# Allegro board 1281021_HW-FMC-XM500_Rev1_0.brd (continued)
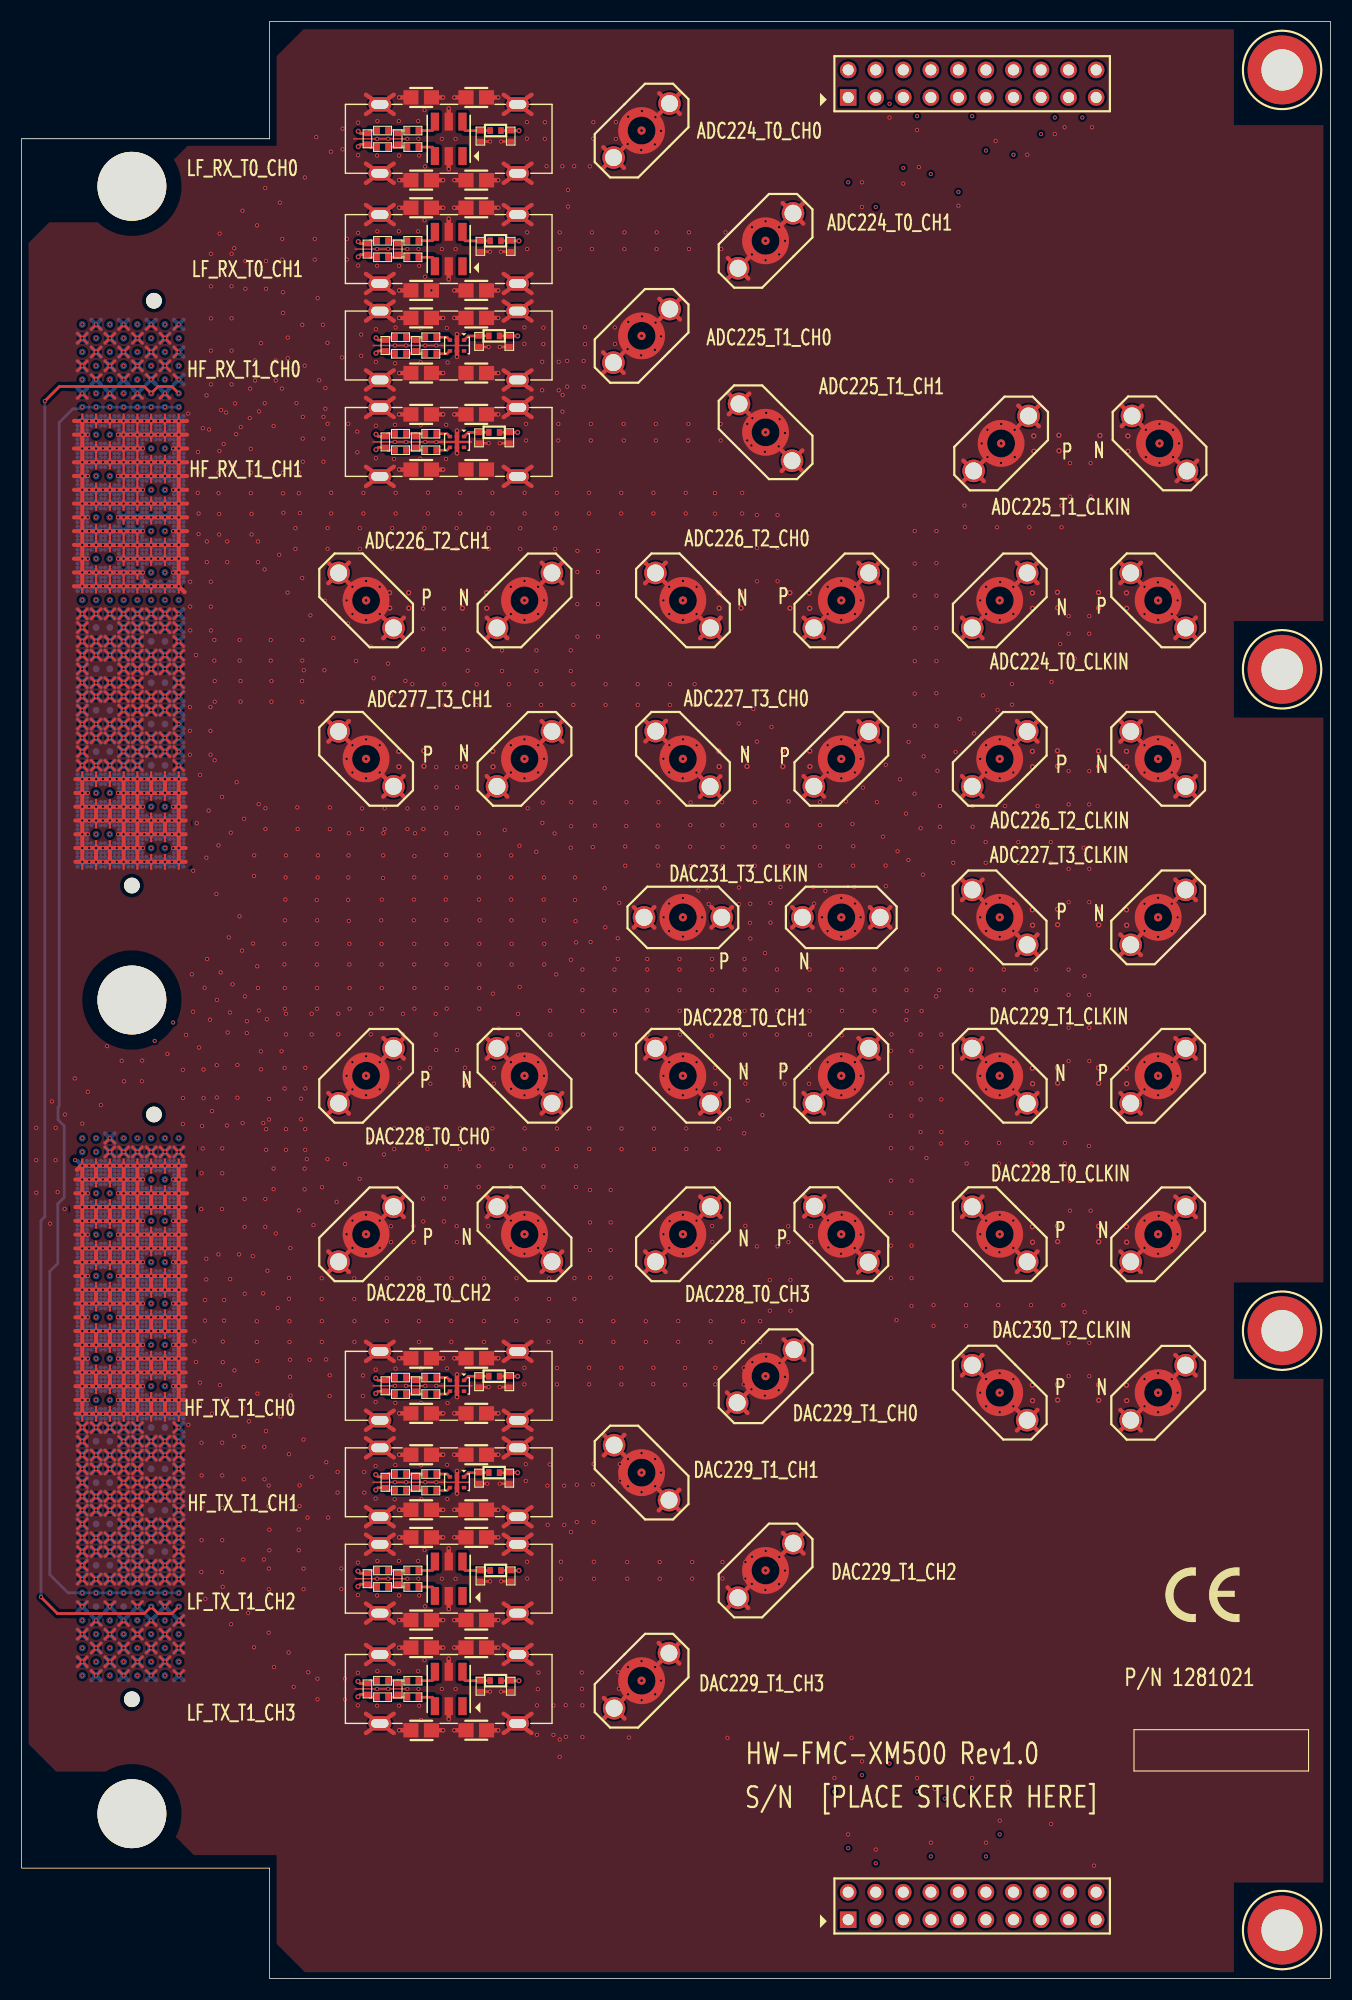
[diagram p0: board, top side]
## Routing (per net, layer and track width the routed paths; a pad name or vN(x,y) marks a point on that pad's centre or on a via; arc(x,y) is an arc through that point) (continued)
  L04_GND w0.381: v2(10.67,31.72) 11.01,32.06 ; v2(10.67,31.72) 10.33,31.37 ; v2(10.67,31.72) 10.33,32.06 ; v2(10.67,31.72) 11.01,31.37 ; 5.25,113.41 v2(5.59,113.06) ; v2(5.59,113.06) 5.93,113.41 ; v2(5.59,113.06) 5.93,112.72 ; v2(5.59,113.06) 5.25,112.72 ; v2(10.67,114.33) 11.01,114.68 ; v2(10.67,114.33) 10.33,114.68 ; v2(10.67,114.33) 11.01,113.99 ; v2(10.67,114.33) 10.33,113.99 ; 14.14,111.45 v2(14.48,111.79) ; v2(14.48,111.79) 14.82,112.14 ; v2(14.48,111.79) 14.14,112.14 ; v2(14.48,111.79) 14.82,111.45 ; 106.36,86.67 J896.3 ; J896.3 108.26,84.77 ; J896.3 106.36,84.77 ; J896.3 108.26,86.67 ; 44.44,41.65 RFCAGE3.2 ; RFCAGE3.2 44.44,43.44 ; RFCAGE3.2 47,41.65 ; RFCAGE3.2 47,43.44 ; 5.25,38.99 v2(5.59,39.34) ; v2(5.59,39.34) 5.25,39.68 ; v2(5.59,39.34) 5.93,38.99 ; v2(5.59,39.34) 5.93,39.68 ; 10.33,118.49 v2(10.67,118.14) ; v2(10.67,118.14) 10.33,117.8 ; v2(10.67,118.14) 11.01,117.8 ; v2(10.67,118.14) 11.01,118.49 ; 70.16,163.63 J3.2 ; J3.2 72.06,163.63 ; J3.2 72.06,161.73 ; J3.2 70.16,161.73 ; 7.79,47.3 v2(8.13,46.96) ; v2(8.13,46.96) 8.47,47.3 ; v2(8.13,46.96) 8.47,46.61 ; v2(8.13,46.96) 7.79,46.61 ; RFCAGE3.3 47,49.79 ; RFCAGE3.3 44.44,48 ; RFCAGE3.3 44.44,49.79 ; RFCAGE3.3 47,48 ; RFCAGE5.2 47,137.54 ; RFCAGE5.2 47,139.32 ; RFCAGE5.2 44.44,139.32 ; RFCAGE5.2 44.44,137.54 ; v2(11.94,125.76) 12.28,125.42 ; v2(11.94,125.76) 11.6,126.11 ; v2(11.94,125.76) 11.6,125.42 ; v2(11.94,125.76) 12.28,126.11 ; 101.29,113.98 J894.2 ; J894.2 101.29,115.88 ; J894.2 103.19,115.88 ; J894.2 103.19,113.98 ; J3.3 67,158.57 ; J3.3 65.1,158.57 ; J3.3 65.1,156.66 ; J3.3 67,156.66 ; J31.3 88.59,123.52 ; J31.3 86.69,123.52 ; J31.3 86.69,125.42 ; J31.3 88.59,125.42 ; v2(5.59,40.61) 5.93,40.26 ; v2(5.59,40.61) 5.25,40.95 ; v2(5.59,40.61) 5.25,40.26 ; v2(5.59,40.61) 5.93,40.95 ; 5.25,29.52 v2(5.59,29.18) ; v2(5.59,29.18) 5.93,29.52 ; v2(5.59,29.18) 5.93,28.83 ; v2(5.59,29.18) 5.25,28.83 ; v2(13.21,118.14) 13.55,117.8 ; v2(13.21,118.14) 12.87,117.8 ; v2(13.21,118.14) 13.55,118.49 ; v2(13.21,118.14) 12.87,118.49 ; 7.79,117.8 v2(8.13,118.14) ; v2(8.13,118.14) 7.79,118.49 ; v2(8.13,118.14) 8.47,118.49 ; v2(8.13,118.14) 8.47,117.8 ; v2(14.48,123.22) 14.82,122.88 ; v2(14.48,123.22) 14.14,123.57 ; v2(14.48,123.22) 14.82,123.57 ; v2(14.48,123.22) 14.14,122.88 ; v2(10.67,151.16) 11.01,150.82 ; v2(10.67,151.16) 10.33,151.51 ; v2(10.67,151.16) 10.33,150.82 ; v2(10.67,151.16) 11.01,151.51 ; 7.79,32.06 v2(8.13,31.72) ; v2(8.13,31.72) 7.79,31.37 ; v2(8.13,31.72) 8.47,32.06 ; v2(8.13,31.72) 8.47,31.37 ; J35.3 49.84,128.58 ; J35.3 47.94,128.58 ; J35.3 49.84,130.48 ; J35.3 47.94,130.48 ; 44.44,152.78 RFCAGE6.3 ; RFCAGE6.3 47,152.78 ; RFCAGE6.3 44.44,154.56 ; RFCAGE6.3 47,154.56 ; 9.06,122.3 v2(9.4,121.95) ; v2(9.4,121.95) 9.06,121.61 ; v2(9.4,121.95) 9.74,121.61 ; v2(9.4,121.95) 9.74,122.3 ; v2(10.67,50.77) 11.01,51.11 ; v2(10.67,50.77) 11.01,50.42 ; v2(10.67,50.77) 10.33,50.42 ; v2(10.67,50.77) 10.33,51.11 ; v2(10.67,120.68) 11.01,120.34 ; v2(10.67,120.68) 11.01,121.03 ; v2(10.67,120.68) 10.33,121.03 ; v2(10.67,120.68) 10.33,120.34 ; 10.33,34.6 v2(10.67,34.26) ; v2(10.67,34.26) 10.33,33.91 ; v2(10.67,34.26) 11.01,34.6 ; v2(10.67,34.26) 11.01,33.91 ; v2(9.4,41.88) 9.74,42.22 ; v2(9.4,41.88) 9.06,41.53 ; v2(9.4,41.88) 9.74,41.53 ; v2(9.4,41.88) 9.06,42.22 ; 9.06,37.72 v2(9.4,38.07) ; v2(9.4,38.07) 9.74,37.72 ; v2(9.4,38.07) 9.74,38.41 ; v2(9.4,38.07) 9.06,38.41 ; v2(9.4,152.43) 9.74,152.78 ; v2(9.4,152.43) 9.06,152.09 ; v2(9.4,152.43) 9.74,152.09 ; v2(9.4,152.43) 9.06,152.78 ; 11.6,28.25 v2(11.94,27.91) ; v2(11.94,27.91) 12.28,27.56 ; v2(11.94,27.91) 11.6,27.56 ; v2(11.94,27.91) 12.28,28.25 ; v2(13.21,48.23) 13.55,47.88 ; v2(13.21,48.23) 13.55,48.57 ; v2(13.21,48.23) 12.87,48.57 ; v2(13.21,48.23) 12.87,47.88 ; 5.25,51.11 v2(5.59,50.77) ; v2(5.59,50.77) 5.93,50.42 ; v2(5.59,50.77) 5.25,50.42 ; v2(5.59,50.77) 5.93,51.11 ; 31.74,146.43 RFCAGE6.1 ; RFCAGE6.1 34.3,148.21 ; RFCAGE6.1 34.3,146.43 ; RFCAGE6.1 31.74,148.21 ; v2(10.67,38.07) 11.01,38.41 ; v2(10.67,38.07) 10.33,37.72 ; v2(10.67,38.07) 10.33,38.41 ; v2(10.67,38.07) 11.01,37.72 ; v2(11.94,121.95) 12.28,122.3 ; v2(11.94,121.95) 11.6,122.3 ; v2(11.94,121.95) 12.28,121.61 ; v2(11.94,121.95) 11.6,121.61 ; 57.48,128.58 J32.3 ; J32.3 57.48,130.48 ; J32.3 59.38,128.58 ; J32.3 59.38,130.48 ; v2(8.13,48.23) 8.47,48.57 ; v2(8.13,48.23) 8.47,47.88 ; v2(8.13,48.23) 7.79,47.88 ; v2(8.13,48.23) 7.79,48.57 ; J893.3 88.59,110.81 ; J893.3 86.69,110.81 ; J893.3 88.59,108.91 ; J893.3 86.69,108.91 ; 44.44,165.48 RFCAGE8.2 ; RFCAGE8.2 44.44,167.26 ; RFCAGE8.2 47,165.48 ; RFCAGE8.2 47,167.26 ; J25.3 59.38,67 ; J25.3 57.48,67 ; J25.3 57.48,65.1 ; J25.3 59.38,65.1 ; v2(6.86,119.41) 7.2,119.76 ; v2(6.86,119.41) 6.52,119.76 ; v2(6.86,119.41) 6.52,119.07 ; v2(6.86,119.41) 7.2,119.07 ; 7.79,114.68 v2(8.13,114.33) ; v2(8.13,114.33) 8.47,114.68 ; v2(8.13,114.33) 8.47,113.99 ; v2(8.13,114.33) 7.79,113.99 ; J889.2 88.72,139.89 ; J889.2 88.72,137.99 ; J889.2 86.81,139.89 ; J889.2 86.81,137.99 ; v2(8.13,39.34) 8.47,38.99 ; v2(8.13,39.34) 7.79,38.99 ; v2(8.13,39.34) 7.79,39.68 ; v2(8.13,39.34) 8.47,39.68 ; v2(9.4,113.06) 9.74,112.72 ; v2(9.4,113.06) 9.06,112.72 ; v2(9.4,113.06) 9.74,113.41 ; v2(9.4,113.06) 9.06,113.41 ; 62.54,72.06 J25.2 ; J25.2 64.44,70.16 ; J25.2 62.54,70.16 ; J25.2 64.44,72.06 ; J33.2 73.98,123.52 ; J33.2 72.08,125.42 ; J33.2 73.98,125.42 ; J33.2 72.08,123.52 ; J895.2 88.59,84.77 ; J895.2 86.69,84.77 ; J895.2 86.69,86.67 ; J895.2 88.59,86.67 ; 9.06,48.57 v2(9.4,48.23) ; v2(9.4,48.23) 9.74,48.57 ; v2(9.4,48.23) 9.74,47.88 ; v2(9.4,48.23) 9.06,47.88 ; 10.33,38.99 v2(10.67,39.34) ; v2(10.67,39.34) 11.01,38.99 ; v2(10.67,39.34) 10.33,39.68 ; v2(10.67,39.34) 11.01,39.68 ; 10.33,47.88 v2(10.67,48.23) ; v2(10.67,48.23) 10.33,48.57 ; v2(10.67,48.23) 11.01,47.88 ; v2(10.67,48.23) 11.01,48.57 ; 72.08,108.91 J37.3 ; J37.3 73.98,110.81 ; J37.3 73.98,108.91 ; J37.3 72.08,110.81 ; 42.87,86.67 J27.3 ; J27.3 42.87,84.77 ; J27.3 44.77,84.77 ; J27.3 44.77,86.67 ; v2(13.21,45.69) 13.55,45.34 ; v2(13.21,45.69) 13.55,46.03 ; v2(13.21,45.69) 12.87,45.34 ; v2(13.21,45.69) 12.87,46.03 ; J8.2 60.63,45.03 ; J8.2 58.73,45.03 ; J8.2 58.73,43.13 ; J8.2 60.63,43.13 ; 31.74,154.56 RFCAGE6.4 ; RFCAGE6.4 34.3,152.78 ; RFCAGE6.4 34.3,154.56 ; RFCAGE6.4 31.74,152.78 ; 6.52,123.57 v2(6.86,123.22) ; v2(6.86,123.22) 6.52,122.88 ; v2(6.86,123.22) 7.2,122.88 ; v2(6.86,123.22) 7.2,123.57 ; v2(9.4,44.42) 9.74,44.76 ; v2(9.4,44.42) 9.06,44.07 ; v2(9.4,44.42) 9.74,44.07 ; v2(9.4,44.42) 9.06,44.76 ; v2(10.67,76.17) 11.01,75.82 ; v2(10.67,76.17) 10.33,75.82 ; v2(10.67,76.17) 11.01,76.51 ; v2(10.67,76.17) 10.33,76.51 ; 5.25,126.11 v2(5.59,125.76) ; v2(5.59,125.76) 5.93,126.11 ; v2(5.59,125.76) 5.25,125.42 ; v2(5.59,125.76) 5.93,125.42 ; 9.06,119.76 v2(9.4,119.41) ; v2(9.4,119.41) 9.06,119.07 ; v2(9.4,119.41) 9.74,119.07 ; v2(9.4,119.41) 9.74,119.76 ; v2(14.48,39.34) 14.82,38.99 ; v2(14.48,39.34) 14.14,38.99 ; v2(14.48,39.34) 14.82,39.68 ; v2(14.48,39.34) 14.14,39.68 ; v2(14.48,44.42) 14.82,44.07 ; v2(14.48,44.42) 14.14,44.07 ; v2(14.48,44.42) 14.14,44.76 ; v2(14.48,44.42) 14.82,44.76 ; 31.74,157.1 RFCAGE7.1 ; RFCAGE7.1 31.74,155.32 ; RFCAGE7.1 34.3,157.1 ; RFCAGE7.1 34.3,155.32 ; 31.74,56.89 RFCAGE4.4 ; RFCAGE4.4 34.3,56.89 ; RFCAGE4.4 31.74,58.68 ; RFCAGE4.4 34.3,58.68 ; 11.6,38.41 v2(11.94,38.07) ; v2(11.94,38.07) 12.28,38.41 ; v2(11.94,38.07) 12.28,37.72 ; v2(11.94,38.07) 11.6,37.72 ; v2(10.67,124.49) 11.01,124.15 ; v2(10.67,124.49) 11.01,124.84 ; v2(10.67,124.49) 10.33,124.84 ; v2(10.67,124.49) 10.33,124.15 ; v2(13.21,36.8) 13.55,36.45 ; v2(13.21,36.8) 12.87,36.45 ; v2(13.21,36.8) 12.87,37.14 ; v2(13.21,36.8) 13.55,37.14 ; v2(5.59,148.62) 5.93,148.28 ; v2(5.59,148.62) 5.93,148.97 ; v2(5.59,148.62) 5.25,148.28 ; v2(5.59,148.62) 5.25,148.97 ; v2(6.86,32.99) 7.2,32.64 ; v2(6.86,32.99) 6.52,33.33 ; v2(6.86,32.99) 7.2,33.33 ; v2(6.86,32.99) 6.52,32.64 ; v2(5.59,120.68) 5.93,121.03 ; v2(5.59,120.68) 5.25,120.34 ; v2(5.59,120.68) 5.25,121.03 ; v2(5.59,120.68) 5.93,120.34 ; 5.25,114.68 v2(5.59,114.33) ; v2(5.59,114.33) 5.93,113.99 ; v2(5.59,114.33) 5.25,113.99 ; v2(5.59,114.33) 5.93,114.68 ; 72.13,70.21 J24.3 ; J24.3 74.03,72.11 ; J24.3 74.03,70.21 ; J24.3 72.13,72.11 ; J892.3 103.19,94.31 ; J892.3 101.29,94.31 ; J892.3 101.29,96.21 ; J892.3 103.19,96.21 ; v2(8.13,77.44) 8.47,77.78 ; v2(8.13,77.44) 8.47,77.09 ; v2(8.13,77.44) 7.79,77.78 ; v2(8.13,77.44) 7.79,77.09 ; v2(10.67,123.22) 11.01,123.57 ; v2(10.67,123.22) 10.33,123.57 ; v2(10.67,123.22) 11.01,122.88 ; v2(10.67,123.22) 10.33,122.88 ; v2(9.4,114.33) 9.74,113.99 ; v2(9.4,114.33) 9.74,114.68 ; v2(9.4,114.33) 9.06,113.99 ; v2(9.4,114.33) 9.06,114.68 ; RFCAGE7.2 47,157.1 ; RFCAGE7.2 44.44,157.1 ; RFCAGE7.2 44.44,155.32 ; RFCAGE7.2 47,155.32 ; 9.06,150.24 v2(9.4,149.89) ; v2(9.4,149.89) 9.74,150.24 ; v2(9.4,149.89) 9.06,149.55 ; v2(9.4,149.89) 9.74,149.55 ; v2(11.94,114.33) 12.28,114.68 ; v2(11.94,114.33) 12.28,113.99 ; v2(11.94,114.33) 11.6,114.68 ; v2(11.94,114.33) 11.6,113.99 ; v2(14.48,50.77) 14.82,51.11 ; v2(14.48,50.77) 14.14,50.42 ; v2(14.48,50.77) 14.82,50.42 ; v2(14.48,50.77) 14.14,51.11 ; 7.79,145.74 v2(8.13,146.08) ; v2(8.13,146.08) 7.79,146.43 ; v2(8.13,146.08) 8.47,145.74 ; v2(8.13,146.08) 8.47,146.43 ; v2(6.86,121.95) 7.2,121.61 ; v2(6.86,121.95) 6.52,121.61 ; v2(6.86,121.95) 7.2,122.3 ; v2(6.86,121.95) 6.52,122.3 ; v2(13.21,41.88) 13.55,42.22 ; v2(13.21,41.88) 13.55,41.53 ; v2(13.21,41.88) 12.87,42.22 ; v2(13.21,41.88) 12.87,41.53 ; 14.14,75.82 v2(14.48,76.17) ; v2(14.48,76.17) 14.82,76.51 ; v2(14.48,76.17) 14.14,76.51 ; v2(14.48,76.17) 14.82,75.82 ; v2(8.13,115.6) 8.47,115.26 ; v2(8.13,115.6) 7.79,115.26 ; v2(8.13,115.6) 7.79,115.95 ; v2(8.13,115.6) 8.47,115.95 ; J22.3 35.23,70.16 ; J22.3 33.33,72.06 ; J22.3 33.33,70.16 ; J22.3 35.23,72.06 ; v2(5.59,38.07) 5.93,38.41 ; v2(5.59,38.07) 5.93,37.72 ; v2(5.59,38.07) 5.25,38.41 ; v2(5.59,38.07) 5.25,37.72 ; 14.14,40.26 v2(14.48,40.61) ; v2(14.48,40.61) 14.82,40.26 ; v2(14.48,40.61) 14.14,40.95 ; v2(14.48,40.61) 14.82,40.95 ; 14.14,48.57 v2(14.48,48.23) ; v2(14.48,48.23) 14.82,48.57 ; v2(14.48,48.23) 14.14,47.88 ; v2(14.48,48.23) 14.82,47.88 ; 6.52,115.26 v2(6.86,115.6) ; v2(6.86,115.6) 7.2,115.95 ; v2(6.86,115.6) 6.52,115.95 ; v2(6.86,115.6) 7.2,115.26 ; 6.52,125.42 v2(6.86,125.76) ; v2(6.86,125.76) 6.52,126.11 ; v2(6.86,125.76) 7.2,126.11 ; v2(6.86,125.76) 7.2,125.42 ; 14.14,125.42 v2(14.48,125.76) ; v2(14.48,125.76) 14.82,125.42 ; v2(14.48,125.76) 14.14,126.11 ; v2(14.48,125.76) 14.82,126.11 ; 10.33,113.41 v2(10.67,113.06) ; v2(10.67,113.06) 11.01,113.41 ; v2(10.67,113.06) 11.01,112.72 ; v2(10.67,113.06) 10.33,112.72 ; v2(5.59,123.22) 5.93,123.57 ; v2(5.59,123.22) 5.25,122.88 ; v2(5.59,123.22) 5.93,122.88 ; v2(5.59,123.22) 5.25,123.57 ; 53.67,50.09 J8.3 ; J8.3 55.57,50.09 ; J8.3 55.57,48.19 ; J8.3 53.67,48.19 ; J29.3 108.26,70.16 ; J29.3 106.36,70.16 ; J29.3 108.26,72.06 ; J29.3 106.36,72.06 ; v2(11.94,45.69) 12.28,45.34 ; v2(11.94,45.69) 12.28,46.03 ; v2(11.94,45.69) 11.6,46.03 ; v2(11.94,45.69) 11.6,45.34 ; v2(5.59,44.42) 5.93,44.76 ; v2(5.59,44.42) 5.93,44.07 ; v2(5.59,44.42) 5.25,44.07 ; v2(5.59,44.42) 5.25,44.76 ; J889.3 93.78,143.05 ; J889.3 91.88,143.05 ; J889.3 91.88,144.95 ; J889.3 93.78,144.95 ; 77.1,66.95 J24.2 ; J24.2 79,66.95 ; J24.2 77.1,65.05 ; J24.2 79,65.05 ; 63.59,96.84 J900.3 ; J900.3 65.49,96.84 ; J900.3 65.49,98.74 ; J900.3 63.59,98.74 ; v2(9.4,36.8) 9.74,37.14 ; v2(9.4,36.8) 9.74,36.45 ; v2(9.4,36.8) 9.06,37.14 ; v2(9.4,36.8) 9.06,36.45 ; 106.36,108.91 J894.3 ; J894.3 106.36,110.81 ; J894.3 108.26,110.81 ; J894.3 108.26,108.91 ; 10.33,117.22 v2(10.67,116.87) ; v2(10.67,116.87) 11.01,117.22 ; v2(10.67,116.87) 11.01,116.53 ; v2(10.67,116.87) 10.33,116.53 ; v2(10.67,148.62) 11.01,148.28 ; v2(10.67,148.62) 10.33,148.28 ; v2(10.67,148.62) 10.33,148.97 ; v2(10.67,148.62) 11.01,148.97 ; 10.33,45.34 v2(10.67,45.69) ; v2(10.67,45.69) 11.01,46.03 ; v2(10.67,45.69) 10.33,46.03 ; v2(10.67,45.69) 11.01,45.34 ; 14.14,45.34 v2(14.48,45.69) ; v2(14.48,45.69) 14.82,45.34 ; v2(14.48,45.69) 14.14,46.03 ; v2(14.48,45.69) 14.82,46.03 ; 6.52,38.99 v2(6.86,39.34) ; v2(6.86,39.34) 7.2,39.68 ; v2(6.86,39.34) 7.2,38.99 ; v2(6.86,39.34) 6.52,39.68 ; J1.3 71.97,140.83 ; J1.3 70.07,138.92 ; J1.3 71.97,138.92 ; J1.3 70.07,140.83 ; J34.2 35.23,123.52 ; J34.2 35.23,125.42 ; J34.2 33.33,125.42 ; J34.2 33.33,123.52 ; 9.06,46.03 v2(9.4,45.69) ; v2(9.4,45.69) 9.06,45.34 ; v2(9.4,45.69) 9.74,45.34 ; v2(9.4,45.69) 9.74,46.03 ; 9.06,122.88 v2(9.4,123.22) ; v2(9.4,123.22) 9.06,123.57 ; v2(9.4,123.22) 9.74,122.88 ; v2(9.4,123.22) 9.74,123.57 ; J33.3 79.05,128.58 ; J33.3 79.05,130.48 ; J33.3 77.15,130.48 ; J33.3 77.15,128.58 ; 7.79,119.07 v2(8.13,119.41) ; v2(8.13,119.41) 7.79,119.76 ; v2(8.13,119.41) 8.47,119.07 ; v2(8.13,119.41) 8.47,119.76 ; J2.3 55.51,147.97 ; J2.3 55.51,149.87 ; J2.3 53.6,149.87 ; J2.3 53.6,147.97 ; v2(8.13,44.42) 8.47,44.07 ; v2(8.13,44.42) 7.79,44.07 ; v2(8.13,44.42) 8.47,44.76 ; v2(8.13,44.42) 7.79,44.76 ; 14.14,118.49 v2(14.48,118.14) ; v2(14.48,118.14) 14.82,118.49 ; v2(14.48,118.14) 14.14,117.8 ; v2(14.48,118.14) 14.82,117.8 ; 31.74,173.61 RFCAGE8.4 ; RFCAGE8.4 34.3,173.61 ; RFCAGE8.4 34.3,171.83 ; RFCAGE8.4 31.74,171.83 ; J891.3 88.59,101.27 ; J891.3 86.69,99.37 ; J891.3 86.69,101.27 ; J891.3 88.59,99.37 ; v2(6.86,30.45) 7.2,30.79 ; v2(6.86,30.45) 6.52,30.1 ; v2(6.86,30.45) 7.2,30.1 ; v2(6.86,30.45) 6.52,30.79 ; 7.79,122.3 v2(8.13,121.95) ; v2(8.13,121.95) 8.47,121.61 ; v2(8.13,121.95) 8.47,122.3 ; v2(8.13,121.95) 7.79,121.61 ; 9.06,47.3 v2(9.4,46.96) ; v2(9.4,46.96) 9.74,47.3 ; v2(9.4,46.96) 9.74,46.61 ; v2(9.4,46.96) 9.06,46.61 ; 44.44,30.74 RFCAGE1.3 ; RFCAGE1.3 47,28.95 ; RFCAGE1.3 47,30.74 ; RFCAGE1.3 44.44,28.95 ; 6.52,152.78 v2(6.86,152.43) ; v2(6.86,152.43) 7.2,152.78 ; v2(6.86,152.43) 6.52,152.09 ; v2(6.86,152.43) 7.2,152.09 ; 9.06,147.7 v2(9.4,147.35) ; v2(9.4,147.35) 9.06,147.01 ; v2(9.4,147.35) 9.74,147.7 ; v2(9.4,147.35) 9.74,147.01 ; RFCAGE2.4 34.3,40.9 ; RFCAGE2.4 31.74,39.11 ; RFCAGE2.4 34.3,39.11 ; RFCAGE2.4 31.74,40.9 ; 65.08,36.03 J5.3 ; J5.3 66.98,34.13 ; J5.3 65.08,34.13 ; J5.3 66.98,36.03 ; J1.2 67.09,144.16 ; J1.2 65.19,146.06 ; J1.2 67.09,146.06 ; J1.2 65.19,144.16 ; J20.2 79.05,86.67 ; J20.2 77.15,84.77 ; J20.2 77.15,86.67 ; J20.2 79.05,84.77 ; v2(13.21,49.5) 13.55,49.15 ; v2(13.21,49.5) 13.55,49.84 ; v2(13.21,49.5) 12.87,49.15 ; v2(13.21,49.5) 12.87,49.84 ; v2(13.21,151.16) 13.55,150.82 ; v2(13.21,151.16) 13.55,151.51 ; v2(13.21,151.16) 12.87,150.82 ; v2(13.21,151.16) 12.87,151.51 ; 5.25,32.06 v2(5.59,31.72) ; v2(5.59,31.72) 5.25,31.37 ; v2(5.59,31.72) 5.93,32.06 ; v2(5.59,31.72) 5.93,31.37 ; 12.87,37.72 v2(13.21,38.07) ; v2(13.21,38.07) 12.87,38.41 ; v2(13.21,38.07) 13.55,37.72 ; v2(13.21,38.07) 13.55,38.41 ; J890.3 108.38,137.99 ; J890.3 106.48,137.99 ; J890.3 106.48,139.89 ; J890.3 108.38,139.89 ; 12.87,146.43 v2(13.21,146.08) ; v2(13.21,146.08) 13.55,145.74 ; v2(13.21,146.08) 12.87,145.74 ; v2(13.21,146.08) 13.55,146.43 ; 31.74,167.26 RFCAGE8.1 ; RFCAGE8.1 31.74,165.48 ; RFCAGE8.1 34.3,165.48 ; RFCAGE8.1 34.3,167.26 ; 12.87,124.15 v2(13.21,124.49) ; v2(13.21,124.49) 13.55,124.84 ; v2(13.21,124.49) 13.55,124.15 ; v2(13.21,124.49) 12.87,124.84 ; 9.06,49.15 v2(9.4,49.5) ; v2(9.4,49.5) 9.06,49.84 ; v2(9.4,49.5) 9.74,49.84 ; v2(9.4,49.5) 9.74,49.15 ; 12.87,116.53 v2(13.21,116.87) ; v2(13.21,116.87) 13.55,116.53 ; v2(13.21,116.87) 13.55,117.22 ; v2(13.21,116.87) 12.87,117.22 ; v2(10.67,29.18) 11.01,29.52 ; v2(10.67,29.18) 10.33,29.52 ; v2(10.67,29.18) 11.01,28.83 ; v2(10.67,29.18) 10.33,28.83 ; J897.3 108.26,57.46 ; J897.3 106.36,55.56 ; J897.3 106.36,57.46 ; J897.3 108.26,55.56 ; J29.2 103.19,65.1 ; J29.2 101.29,65.1 ; J29.2 103.19,67 ; J29.2 101.29,67 ; v2(14.48,46.96) 14.82,46.61 ; v2(14.48,46.96) 14.14,47.3 ; v2(14.48,46.96) 14.14,46.61 ; v2(14.48,46.96) 14.82,47.3 ; 72.08,81.6 J20.3 ; J20.3 72.08,79.7 ; J20.3 73.98,79.7 ; J20.3 73.98,81.6 ; 9.06,75.82 v2(9.4,76.17) ; v2(9.4,76.17) 9.06,76.51 ; v2(9.4,76.17) 9.74,75.82 ; v2(9.4,76.17) 9.74,76.51 ; v2(5.59,36.8) 5.93,37.14 ; v2(5.59,36.8) 5.93,36.45 ; v2(5.59,36.8) 5.25,36.45 ; v2(5.59,36.8) 5.25,37.14 ; 91.75,67 J28.3 ; J28.3 93.65,65.1 ; J28.3 93.65,67 ; J28.3 91.75,65.1 ; v2(14.48,30.45) 14.82,30.79 ; v2(14.48,30.45) 14.14,30.1 ; v2(14.48,30.45) 14.14,30.79 ; v2(14.48,30.45) 14.82,30.1 ; 91.75,115.88 J893.2 ; J893.2 93.65,115.88 ; J893.2 93.65,113.98 ; J893.2 91.75,113.98 ; 70.25,58.9 J7.2 ; J7.2 72.15,58.9 ; J7.2 72.15,56.99 ; J7.2 70.25,56.99 ; 7.79,75.82 v2(8.13,76.17) ; v2(8.13,76.17) 8.47,76.51 ; v2(8.13,76.17) 7.79,76.51 ; v2(8.13,76.17) 8.47,75.82 ; 14.14,120.34 v2(14.48,120.68) ; v2(14.48,120.68) 14.14,121.03 ; v2(14.48,120.68) 14.82,121.03 ; v2(14.48,120.68) 14.82,120.34 ; 9.06,124.84 v2(9.4,124.49) ; v2(9.4,124.49) 9.74,124.15 ; v2(9.4,124.49) 9.06,124.15 ; v2(9.4,124.49) 9.74,124.84 ; v2(13.21,121.95) 13.55,121.61 ; v2(13.21,121.95) 13.55,122.3 ; v2(13.21,121.95) 12.87,121.61 ; v2(13.21,121.95) 12.87,122.3 ; J21.3 59.38,84.77 ; J21.3 57.48,86.67 ; J21.3 59.38,86.67 ; J21.3 57.48,84.77 ; J4.2 60.68,173.75 ; J4.2 60.68,171.84 ; J4.2 58.78,171.84 ; J4.2 58.78,173.75 ; 11.6,124.84 v2(11.94,124.49) ; v2(11.94,124.49) 12.28,124.15 ; v2(11.94,124.49) 12.28,124.84 ; v2(11.94,124.49) 11.6,124.15 ; v2(13.21,125.76) 13.55,126.11 ; v2(13.21,125.76) 13.55,125.42 ; v2(13.21,125.76) 12.87,126.11 ; v2(13.21,125.76) 12.87,125.42 ; v2(10.67,121.95) 11.01,122.3 ; v2(10.67,121.95) 11.01,121.61 ; v2(10.67,121.95) 10.33,122.3 ; v2(10.67,121.95) 10.33,121.61 ; 6.52,118.49 v2(6.86,118.14) ; v2(6.86,118.14) 7.2,117.8 ; v2(6.86,118.14) 7.2,118.49 ; v2(6.86,118.14) 6.52,117.8 ; J26.2 35.23,84.77 ; J26.2 33.33,84.77 ; J26.2 33.33,86.67 ; J26.2 35.23,86.67 ; 91.75,52.39 J898.3 ; J898.3 91.75,50.49 ; J898.3 93.65,52.39 ; J898.3 93.65,50.49 ; 12.87,32.06 v2(13.21,31.72) ; v2(13.21,31.72) 13.55,31.37 ; v2(13.21,31.72) 12.87,31.37 ; v2(13.21,31.72) 13.55,32.06 ; J6.3 55.57,25.84 ; J6.3 53.67,23.94 ; J6.3 55.57,23.94 ; J6.3 53.67,25.84 ; 10.33,36.45 v2(10.67,36.8) ; v2(10.67,36.8) 11.01,36.45 ; v2(10.67,36.8) 11.01,37.14 ; v2(10.67,36.8) 10.33,37.14 ; 9.06,42.8 v2(9.4,43.15) ; v2(9.4,43.15) 9.74,43.49 ; v2(9.4,43.15) 9.74,42.8 ; v2(9.4,43.15) 9.06,43.49 ; RFCAGE4.2 47,50.54 ; RFCAGE4.2 44.44,50.54 ; RFCAGE4.2 47,52.33 ; RFCAGE4.2 44.44,52.33 ; J31.2 93.65,130.48 ; J31.2 91.75,128.58 ; J31.2 93.65,128.58 ; J31.2 91.75,130.48 ; 11.6,44.76 v2(11.94,44.42) ; v2(11.94,44.42) 11.6,44.07 ; v2(11.94,44.42) 12.28,44.76 ; v2(11.94,44.42) 12.28,44.07 ; J39.3 35.23,110.81 ; J39.3 33.33,110.81 ; J39.3 35.23,108.91 ; J39.3 33.33,108.91 ; 31.74,32.76 RFCAGE2.1 ; RFCAGE2.1 31.74,34.55 ; RFCAGE2.1 34.3,32.76 ; RFCAGE2.1 34.3,34.55 ; 44.44,171.83 RFCAGE8.3 ; RFCAGE8.3 44.44,173.61 ; RFCAGE8.3 47,171.83 ; RFCAGE8.3 47,173.61 ; v2(5.59,151.16) 5.93,150.82 ; v2(5.59,151.16) 5.93,151.51 ; v2(5.59,151.16) 5.25,150.82 ; v2(5.59,151.16) 5.25,151.51 ; v2(10.67,44.42) 11.01,44.07 ; v2(10.67,44.42) 10.33,44.07 ; v2(10.67,44.42) 10.33,44.76 ; v2(10.67,44.42) 11.01,44.76 ; 14.14,116.53 v2(14.48,116.87) ; v2(14.48,116.87) 14.14,117.22 ; v2(14.48,116.87) 14.82,116.53 ; v2(14.48,116.87) 14.82,117.22 ; 11.6,147.01 v2(11.94,147.35) ; v2(11.94,147.35) 12.28,147.01 ; v2(11.94,147.35) 12.28,147.7 ; v2(11.94,147.35) 11.6,147.7 ; J23.2 49.84,65.1 ; J23.2 47.94,65.1 ; J23.2 47.94,67 ; J23.2 49.84,67 ; 10.33,42.22 v2(10.67,41.88) ; v2(10.67,41.88) 11.01,42.22 ; v2(10.67,41.88) 11.01,41.53 ; v2(10.67,41.88) 10.33,41.53 ; 9.06,111.45 v2(9.4,111.79) ; v2(9.4,111.79) 9.74,111.45 ; v2(9.4,111.79) 9.74,112.14 ; v2(9.4,111.79) 9.06,112.14 ; J892.2 108.26,99.37 ; J892.2 108.26,101.27 ; J892.2 106.36,99.37 ; J892.2 106.36,101.27 ; J899.3 80.1,98.74 ; J899.3 78.2,96.84 ; J899.3 80.1,96.84 ; J899.3 78.2,98.74 ; 31.74,48 RFCAGE3.4 ; RFCAGE3.4 34.3,48 ; RFCAGE3.4 34.3,49.79 ; RFCAGE3.4 31.74,49.79 ; 11.6,152.78 v2(11.94,152.43) ; v2(11.94,152.43) 11.6,152.09 ; v2(11.94,152.43) 12.28,152.78 ; v2(11.94,152.43) 12.28,152.09 ; 7.79,151.51 v2(8.13,151.16) ; v2(8.13,151.16) 7.79,150.82 ; v2(8.13,151.16) 8.47,150.82 ; v2(8.13,151.16) 8.47,151.51 ; 